# KiCad board ovc5.kicad_pcb (continued)
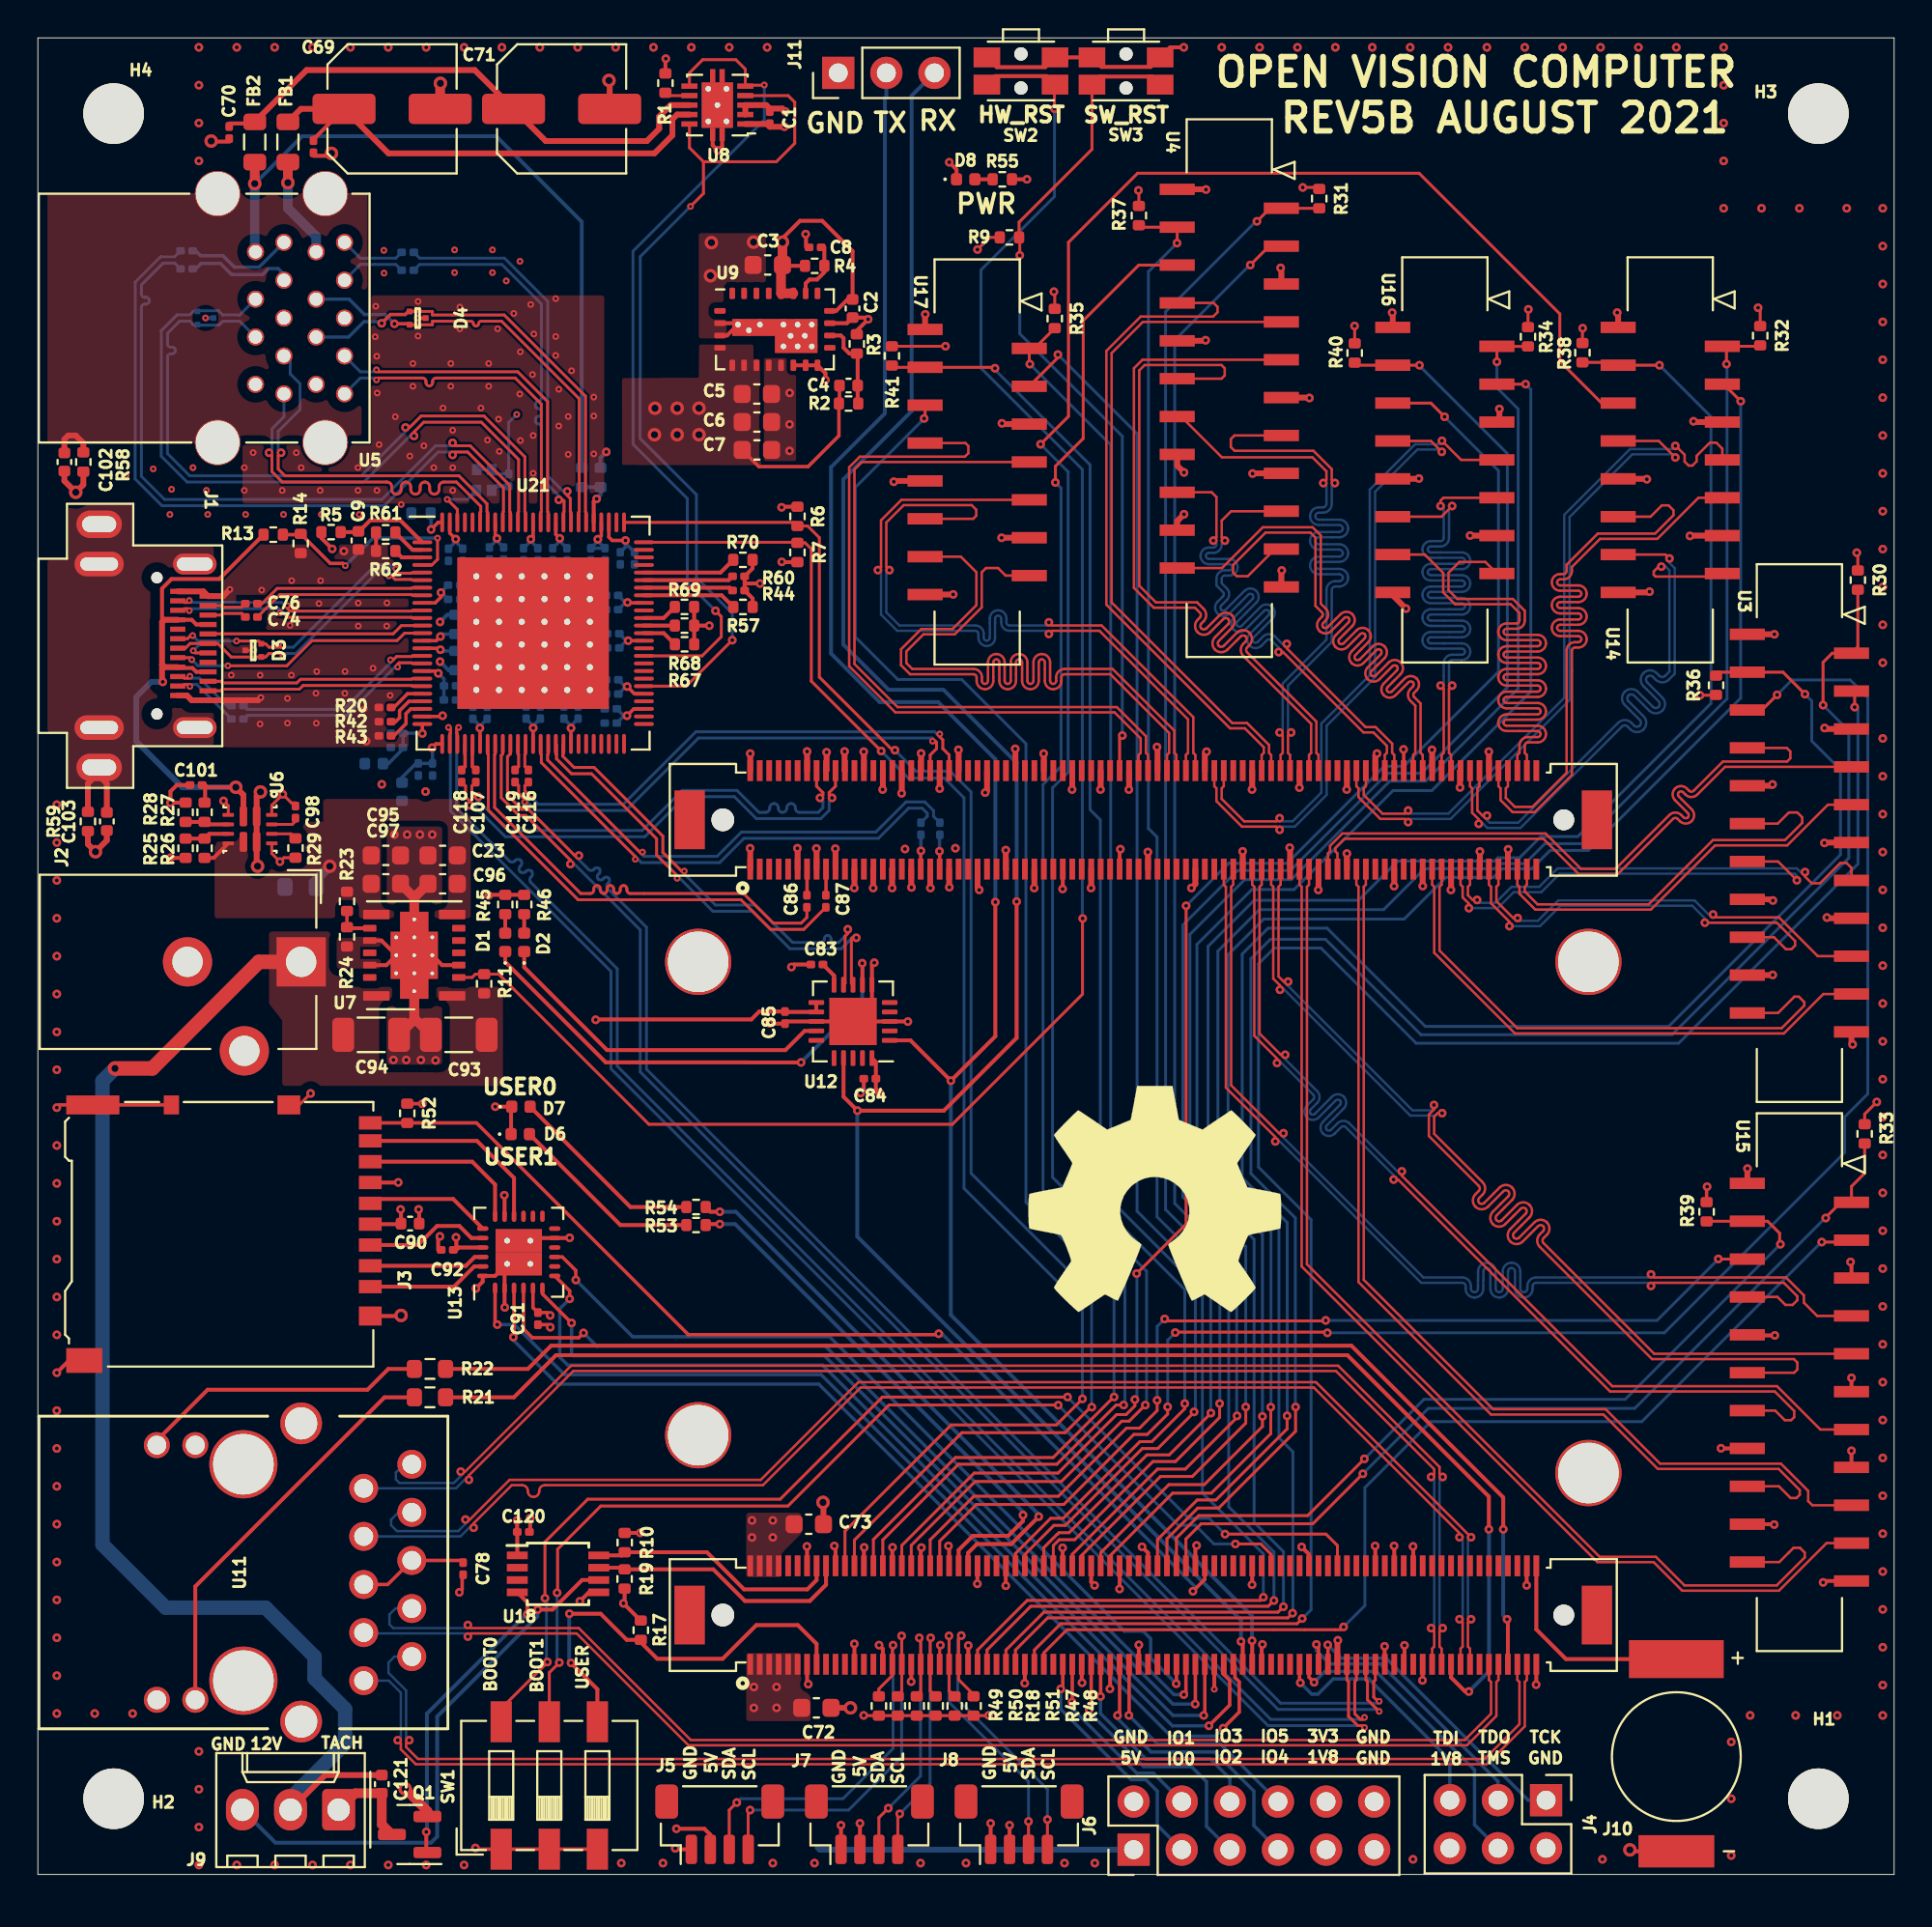
[diagram p0: board, top side]
## Routing (per net, layer and track width the routed paths; a pad name or vN(x,y) marks a point on that pad's centre or on a via; arc(x,y) is an arc through that point) (continued)
FPGA_USB1_TX+: length 25.6
  Top w0.152: U21.39 26.55,59.19 26.58,59.15 26.58,58.72 31.54,53.76 v3(31.54,53.62)
  Bottom w0.152: v3(31.54,53.62) 31.69,53.62 31.86,53.44 36,53.44 37.28,54.72 44.38,54.72 45.97,56.32 46.69,56.32 46.95,56.05 46.95,55.88 C88.1
FPGA_USB1_TX-: length 25.6
  Top w0.152: v3(31.92,54) 31.77,54 26.91,58.86 26.91,59.15 26.95,59.19 U21.40
  Bottom w0.152: C89.1 47.29,55.88 47.29,56.19 46.82,56.65 45.83,56.65 44.24,55.06 37.14,55.06 35.86,53.77 32,53.77 31.92,53.85 v3(31.92,54)
GBE_LED_ACT: length 71.8
  Top w0.203: v1(76.6,18.23) 76.6,19.96 69.14,27.42 27.35,27.42 25.13,25.2 21.52,25.2 ; v1(75.55,9.66) 75.35,9.66 74.61,10.41 U1.A149
  Bottom w0.203: v1(75.55,9.66) 76.61,10.72 76.61,18.22 v1(76.6,18.23)
GBE_LED_LINK: length 68.6
  Top w0.203: v1(77.36,18.23) 77.36,19.91 69.34,27.93 27.1,27.93 25.87,26.7 21.52,26.7 ; U1.A161 77.61,13.43 v1(77.56,13.48)
  Bottom w0.203: v1(77.36,18.23) 77.36,18.22 77.36,13.68 v1(77.56,13.48)
GBE_MDI0_N: length 69.4
  Top w0.127: v1(19.61,7.09) 19.44,6.92 19.44,6.73 20.07,6.1 76.38,6.1 78.22,7.94 78.22,10.16 78.11,10.28 U1.A163
  Bottom w0.127: v1(19.61,7.09) 19.44,7.26 19.44,9.72 18.51,10.65 18.51,11.19 18.83,11.5 U11.2
GBE_MDI0_P: length 69.2
  Top w0.127: v1(19,7.09) 19.16,6.92 19.16,6.61 19.95,5.82 76.5,5.82 78.5,7.82 78.5,10.16 78.61,10.28 U1.A165
  Bottom w0.127: U11.1 18.53,10.23 19.16,9.6 19.16,7.26 v1(19,7.09)
GBE_MDI1_N: length 65.9
  Top w0.127: v1(22.7,13.17) 22.87,13.01 28.56,13.01 34.47,7.1 75.33,7.1 76.72,8.49 76.72,10.16 76.61,10.28 U1.A157
  Bottom w0.127: v1(22.7,13.17) 22.53,13.01 18.76,13.01 18.56,13.21 18.56,13.73 18.88,14.05 U11.4
GBE_MDI1_P: length 65.8
  Top w0.127: v1(22.7,12.57) 22.87,12.73 28.44,12.73 34.35,6.82 75.45,6.82 77,8.37 77,10.16 77.11,10.28 U1.A159
  Bottom w0.127: v1(22.7,12.57) 22.53,12.73 17.24,12.73 U11.3
GBE_MDI2_N: length 72.3
  Top w0.127: v1(75.06,13.48) 75.22,13.31 75.22,12.04 75.11,11.93 U1.A151 ; v1(75.06,17.81) 75.06,18.02 67.36,25.72 43.44,25.72 38.28,20.56 26.77,20.56 arc(26.56,20.47) 26.47,20.26 26.47,20.24 arc(26.38,20.03) 26.17,19.94 arc(25.96,20.03) 25.87,20.24 25.87,20.26 arc(25.78,20.47) 25.57,20.56 25.02,20.56 23.01,18.55 v1(23.01,18.31)
  Bottom w0.127: v1(75.06,17.81) 75.22,17.64 75.22,13.65 v1(75.06,13.48) ; v1(23.01,18.31) 22.77,18.31 22.31,17.86 U11.7
GBE_MDI2_P: length 72.4
  Top w0.127: v1(75.66,13.48) 75.5,13.31 75.5,12.04 75.61,11.93 U1.A153 ; v1(75.66,17.81) 67.48,26 43.32,26 38.16,20.84 24.9,20.84 22.81,18.75 v1(22.57,18.75)
  Bottom w0.127: U11.8 19.03,19.12 18.65,18.74 18.65,18.44 18.96,18.13 22.2,18.13 22.57,18.51 v1(22.57,18.75) ; v1(75.66,13.48) 75.5,13.65 75.5,17.64 v1(75.66,17.81)
GBE_MDI3_N: length 72
  Top w0.127: v1(73.56,20.99) 73.72,21.16 73.72,21.4 68.53,26.59 28.27,26.59 22.76,21.08 v1(22.76,20.84) ; v1(73.56,13.01) 73.72,12.84 73.72,12.04 73.61,11.93 U1.A145
  Bottom w0.127: v1(22.76,20.84) 22.52,20.84 22.07,20.39 U11.9 ; v1(73.56,20.99) 73.72,20.83 73.72,13.18 v1(73.56,13.01)
GBE_MDI3_P: length 72.2
  Top w0.127: U1.A147 74.11,11.93 74,12.04 74,12.84 v1(74.16,13.01) ; v1(74.16,20.99) 74,21.16 74,21.52 68.65,26.87 28.15,26.87 22.56,21.28 v1(22.32,21.28)
  Bottom w0.127: U11.10 19.34,21.67 18.9,21.23 18.9,20.86 19.09,20.67 21.96,20.67 22.32,21.04 v1(22.32,21.28) ; v1(74.16,13.01) 74,13.18 74,20.83 v1(74.16,20.99)
GPIO0: length 12.9
  Top w0.178: U1.A67 54.11,9.91 v1(54,9.8)
  Bottom w0.178: v1(54,9.8) 54,8.73 57.72,5.01 58.49,5.01 59.1,4.4 59.1,2.6 J6.3
GPIO1: length 10.2
  Top w0.178: v1(54.6,9.1) 54.61,9.11 U1.A69
  Bottom w0.178: J6.4 58.89,5.35 58.02,5.35 54.6,8.77 v1(54.6,9.1)
GPIO2: length 14.4
  Top w0.178: U1.A73 55.61,8.81 v1(55.5,8.7)
  Bottom w0.178: v1(55.5,8.7) 55.5,8.58 58.39,5.69 60.91,5.69 61.7,4.9 61.7,2.54 J6.5
GPIO3: length 12.1
  Top w0.178: v1(56.1,9.4) 56.11,9.41 U1.A75
  Bottom w0.178: J6.6 62.93,5.07 61.9,6.1 58.5,6.1 56.1,8.5 v1(56.1,9.4)
GPIO4: length 15.3
  Top w0.178: v1(57,8.4) 57.11,8.51 U1.A79
  Bottom w0.178: v1(57,8.4) 57,8.23 58.76,6.47 62.13,6.47 64.2,4.4 64.2,2.58 J6.7
GPIO5: length 12.5
  Top w0.178: U1.A81 57.61,8.41 v1(57.6,8.4)
  Bottom w0.178: J6.8 62.43,6.89 59.11,6.89 v1(57.6,8.4)
QWIIC0_SCL: length 21
  Top w0.152: v1(45.6,12.6) 45.61,12.59 U1.A33 45.61,9.62 R18.1 ; J5.4 37.5,3.3 v1(37.6,3.4)
  Bottom w0.152: v1(37.6,3.4) 42.8,3.4 45.6,6.2 v1(45.6,12.6)
QWIIC0_SDA: length 20.5
  Top w0.152: R49.2 44.4,9.8 45.11,10.51 U1.A31 45.11,12.07 v1(45.15,12.11) ; J5.3 36.5,3.4 v1(36.9,3.8)
  Bottom w0.152: v1(36.9,3.8) 37.1,4 42.5,4 45.15,6.65 v1(45.15,12.11)
QWIIC1_SCL: length 15.1
  Top w0.152: R47.1 47.11,9.7 U1.A39 47.11,12.47 v1(47.13,12.5) ; J7.4 45.4,3.1 v1(45.5,3.2)
  Bottom w0.152: v1(47.13,12.5) 47.1,12.47 47.1,4.8 v1(45.5,3.2)
QWIIC1_SDA: length 15.3
  Top w0.152: v1(44.9,3.5) 44.4,3 J7.3 ; R50.2 46.61,9.62 U1.A37 46.61,12.42 v1(46.53,12.5)
  Bottom w0.152: v1(44.9,3.5) 46.6,5.2 46.6,12.43 v1(46.53,12.5)
QWIIC2_SCL: length 16.9
  Top w0.152: v1(53.3,2.9) J8.4 ; R48.1 49.4,9.5 48.61,10.29 U1.A45 48.61,12.48 v1(48.75,12.62)
  Bottom w0.152: v1(48.75,12.62) 48.56,12.43 48.56,9.24 53.3,4.5 v1(53.3,2.9)
QWIIC2_SDA: length 16.3
  Top w0.152: v1(48.1,12.6) 48.11,12.59 U1.A43 48.11,9.7 R51.2 ; J8.3 v1(52.3,2.8)
  Bottom w0.152: v1(52.3,2.8) 52.3,4.9 48.1,9.1 v1(48.1,12.6)
REG_EN: length 94.7
  Top w0.152: U7.2 22.93,47.38 23.1,47.55 R11.2 24.33,47.55 32.26,39.62 48.28,39.62 55.15,46.49 55.15,50.48 v1(55.16,50.49) ; v1(53.67,93.26) 53.67,94.23 53.7,94.23
  Top w0.203: SW2.1 50.55,94.98 53.25,94.98 SW2.1
  Bottom w0.152: v1(55.16,50.49) 55.14,50.51 55.14,74.21 49.79,79.56 49.79,84.74 53.67,88.62 v1(53.67,93.26)
SDIO_CDn: length 55.6
  Top w0.178: v1(60.98,14.96) 61.61,15.59 U1.A98 ; v1(47.56,28.56) 47.51,28.51 34.34,28.51 23.16,39.69 J3.9
  Bottom w0.178: v1(47.56,28.56) 47.73,28.56 61.13,15.16 61.13,15.11 v1(60.98,14.96)
SDIO_CLK: length 44.1
  Top w0.178: v1(60.1,10.08) 60.11,10.08 U1.A91 ; U13.9 27.69,32.61 28.4,31.9 v1(28.4,31.4)
  Bottom w0.178: v1(28.4,31.4) 31.4,28.4 41.8,28.4 57.35,12.85 58.35,12.85 58.75,12.45 58.75,11.42 v1(60.1,10.08)
SDIO_CMD: length 46.9
  Top w0.178: v1(60.5,9.5) 60.61,9.61 U1.A93 ; v1(28.81,28.6) 28.55,28.35 26.11,28.35 25.64,28.82 U13.4
  Bottom w0.178: v1(60.5,9.5) 59.97,9.5 41.58,27.9 29.51,27.9 v1(28.81,28.6)
SDIO_D0: length 46.8
  Top w0.178: v1(28.17,29.12) 26.64,30.66 U13.6 ; v1(61.1,9) 61.11,9.01 U1.A95
  Bottom w0.178: v1(61.1,9) 59.92,9 41.53,27.4 28.27,27.4 28.17,27.5 v1(28.17,29.12)
SDIO_D1: length 49.4
  Top w0.178: U1.A97 61.61,8.46 v1(61.55,8.4) ; U13.7 28.08,30.83 v1(28.08,30.4)
  Bottom w0.178: v1(61.55,8.4) 59.92,8.4 41.42,26.9 27.98,26.9 27.55,27.33 27.55,29.88 v1(28.08,30.4)
SDIO_D2: length 52.2
  Top w0.178: v1(24.25,29.04) 24.14,29.16 U13.1 ; v1(61.83,7.85) 62.92,8.95 62.92,10.25 62.61,10.56 U1.A101
  Bottom w0.178: v1(61.83,7.85) 59.9,7.85 41.35,26.4 27.8,26.4 25.16,29.04 v1(24.25,29.04)
SDIO_D3: length 52.9
  Top w0.178: U13.3 25.14,28.42 v1(25.1,28.38) ; U1.A103 63.2,11.01 63.2,10.4 63.42,10.17 63.42,8.58 v1(62.58,7.72)
  Bottom w0.178: v1(62.58,7.72) 62.15,7.3 59.83,7.3 41.22,25.9 27.42,25.9 25.1,28.22 v1(25.1,28.38)
SMBUS_CLK: length 78.2
  Top w0.152: U1.A22 42.61,18.13 48.22,23.74 53.77,23.74 v1(55.15,25.12) ; v1(44.52,59.33) 40.83,63.03 40.83,70.01 40.51,70.33 R7.1 40.07,70.36 U21.75
  Bottom w0.152: v1(55.15,25.12) 55.14,25.13 55.14,29.99 48.89,36.23 48.89,56.86 47.86,57.9 45.95,57.9 v1(44.52,59.33)
SMBUS_DAT: length 80.5
  Top w0.152: v1(45.25,59.38) 45.12,59.38 41.26,63.24 41.26,70.6 40.64,71.22 R6.1 39.91,71.41 30.94,71.41 ; U1.A24 43.11,17.66 48.78,23.33 54.23,23.33 55.58,24.68 v1(55.64,24.68)
  Bottom w0.152: v1(55.64,24.68) 55.63,24.69 55.63,30.67 49.27,37.03 49.27,57.17 48.17,58.27 46.36,58.27 v1(45.25,59.38)
SOFTWARE_RESET: length 44.1
  Top w0.152: SW3.1 55.65,91.11 51.8,87.27 R9.2 51.84,86.42 v1(51.84,85.51) ; U1.B80 57.11,60.01 v1(57.25,60.15)
  Top w0.203: SW3.1 56.08,94.96 58.82,94.96 59.25,94.53
  Bottom w0.152: v1(51.84,85.51) 51.84,81.38 57.25,75.96 v1(57.25,60.15)
USB_UART_D+: length 25
  Top w0.152: v1(43.21,49.47) 42.99,49.47 42.95,49.43 42.95,47.07 U12.8 ; v3(33.75,52.61) 33.75,52.76 32.66,53.84 32.66,54.7 29.23,58.13 28.17,58.13 27.38,58.93 27.38,59.15 27.34,59.19 27.34,59.71 27.38,59.68 27.38,59.13
  Bottom w0.152: v3(33.75,52.61) 33.89,52.61 35.64,50.87 37.73,50.87 39.7,48.89 42.42,48.89 42.99,49.47 v1(43.21,49.47)
USB_UART_D-: length 24.7
  Top w0.152: v1(42.76,49.92) 42.76,49.7 42.62,49.56 42.62,47.07 U12.9 ; 27.71,59.26 27.71,59.68 27.74,59.71 27.74,59.19 27.71,59.15 27.71,59.06 28.31,58.47 29.37,58.47 33,54.84 33,53.98 33.98,52.99 v3(34.13,52.99)
  Bottom w0.152: v3(34.13,52.99) 34.13,52.85 35.77,51.2 37.87,51.2 39.84,49.22 41.35,49.22 arc(41.47,49.28) 41.52,49.4 41.52,49.42 arc(41.57,49.55) 41.7,49.6 arc(41.82,49.55) 41.87,49.42 41.87,49.4 arc(41.92,49.28) 42.05,49.22 42.28,49.22 42.76,49.7 v1(42.76,49.92)
USER_DIP: length 22.7
  Top w0.203: v1(28.06,13.77) 29.71,13.77 31.09,12.39 R17.2 31.83,12.26 32.7,11.39 36.15,11.39 37.93,13.17 40.12,13.17 41.11,12.18 U1.A15 ; SW1.4 29.54,9.78 v1(28.15,11.17)
  Bottom w0.203: v1(28.15,11.17) 28.05,11.27 28.05,13.76 v1(28.06,13.77)
Net-(C4-Pad2): length 4.8
  Top w0.203: R2.2 43.28,77.72 C4.2 43.28,80.28 R3.1 42.84,80.33 42.53,80.64 42.53,81.14 42.39,81.28 U9.14
Net-(C8-Pad1): length 3.1
  Top w0.203: U9.18 40.53,84.04 40.73,84.24 41.14,84.24 41.52,84.62 R4.2 41.52,85.93 41.52,85.94
Net-(C78-Pad1): length 5.7
  Top w0.178: 22.41,16.58 19.74,16.58 18.47,15.31 U11.5
Net-(C83-Pad2): length 1.3
  Top w0.203: U12.10 42.03,47.47 C83.2
Net-(C86-Pad2): length 1.2
  Top w0.178: 40.6,51.88 40.61,51.89 U1.B13
Net-(C87-Pad2): length 1.2
  Top w0.178: U1.B17 41.61,51.89 41.6,51.88
Net-(C88-Pad2): length 1.7
  Top w0.178: v1(46.62,54.06) 46.61,54.05 U1.B37
  Bottom w0.178: v1(46.62,54.06) 46.62,54.75
Net-(C89-Pad2): length 1.7
  Top w0.178: v1(47.6,54.04) 47.61,54.03 U1.B41
  Bottom w0.178: 47.62,54.75 47.6,54.73 v1(47.6,54.04)
Net-(C98-Pad1): length 1.3
  Top w0.152: 13.6,55.63 13.43,55.46 U6.11
Net-(C121-Pad2): length 5
  Top w0.508: 18.69,2.11 18.16,2.64 C121.2 16.75,4.29 J9.1
Net-(D1-Pad2): length 1
  Top w0.203: D1.2 R45.2
Net-(D2-Pad2): length 1
  Top w0.203: D2.2 R46.2
Net-(D6-Pad2): length 10.3
  Top w0.203: D6.2 30.75,34.3 R53.2
Net-(D7-Pad2): length 10.5
  Top w0.203: D7.2 31.28,35.25 R54.2
Net-(D8-Pad2): length 0.9
  Top w0.203: R55.2 D8.2
Net-(Q1-Pad1): length 16.2
  Top w0.203: v1(20.5,2.25) 20.5,1.22 20.57,1.16 ; v1(25.84,13.75) 25.84,14.37 25.31,14.9
  Bottom w0.203: v1(25.84,13.75) 25.8,13.75 20.54,8.49 20.54,2.28 v1(20.5,2.25)
Net-(R1-Pad1): length 1.3
  Top w0.152: U8.7 33.14,93.95 33.13,93.95
Net-(R20-Pad2): length 2
  Top w0.178: U21.21 19.51,62.36 18.79,61.63 R20.2
Net-(R21-Pad1): length 21.7
  Top w0.203: R21.1 18.3,25.2 8.31,15.21 8.31,9.22
Net-(R22-Pad1): length 15.4
  Top w0.203: R22.1 18.5,26.7 17.4,25.6 8.96,25.6 6.28,22.92 U11.14
Net-(R23-Pad2): length 2.1
  Top w0.178: R23.2 R24.1
  Top w0.203: U7.9 16.38,49.98 R24.1
Net-(R25-Pad2): length 2.4
  Top w0.203: R26.1 R25.2 9.05,54.96 U6.5
Net-(R27-Pad2): length 2.3
  Top w0.203: U6.4 8.93,55.46 R27.2 R28.1
Net-(R29-Pad1): length 1.3
  Top w0.152: R29.1 13.36,54.96 U6.10
Net-(R42-Pad2): length 2.3
  Top w0.178: U21.22 19.59,61.96 19.09,61.46 19.09,61.09 18.89,60.89 R42.2
Net-(R43-Pad2): length 2.5
  Top w0.178: U21.23 19.69,61.56 19.44,61.31 19.44,60.78 18.79,60.14 R43.2
Net-(R44-Pad2): length 4.7
  Top w0.203: R44.2 36.53,67.96 U21.69
Net-(R57-Pad2): length 5
  Top w0.203: R57.2 36.1,67.56 U21.68
Net-(R60-Pad2): length 4.8
  Top w0.203: U21.70 36.47,68.36 R60.2
Net-(R61-Pad1): length 1.8
  Top w0.203: U21.2 19.78,69.96 18.87,70.87 R61.1
Net-(R62-Pad1): length 1.6
  Top w0.203: U21.3 19.21,69.56 R62.1
Net-(R63-Pad2): length 1.9
  Top w0.178: v1(21.25,65.38) 21.03,65.16 U21.14
  Bottom w0.178: v1(21.25,65.38) 21.38,65.51 R63.2
Net-(R64-Pad2): length 1.8
  Top w0.178: v1(21.25,64.69) 21.18,64.76 U21.15
  Bottom w0.178: v1(21.25,64.69) 21.31,64.62 R64.2
Net-(R65-Pad2): length 1.6
  Top w0.178: v1(20.76,71.03) 21.13,71.41 21.34,71.41
  Bottom w0.178: R65.2 20.76,71.87 v1(20.76,71.03)
Net-(R67-Pad2): length 1.9
  Top w0.203: R67.2 33.04,65.56 U21.63
Net-(R68-Pad2): length 1.6
  Top w0.203: R68.2 U21.64
Net-(R69-Pad2): length 1.9
  Top w0.203: U21.65 33.04,66.36 R69.2
Net-(R70-Pad2): length 5
  Top w0.203: U21.71 36.04,68.76 R70.2

## Copper pours and planes (outline as drawn; the poured copper is in the pictures)
+1V2 on Top: 30.84,79.03 34.89,79.05 34.91,80.81 37.78,80.81 37.78,80.04 38.28,80.04 38.27,74.43 30.84,74.44
+1V2 on In2.Cu: 65.58,60.81 72.66,60.82 72.66,57.96 65.58,57.95 65.6,53 78.8,53 78.8,45.9 51.29,45.9 51.29,52.6 58.8,52.6 58.8,58.2 52.4,58.2 52.4,60.8 58.8,60.8 58.8,82.6 38.94,82.6 38.94,74.81 31.05,74.81 31.05,86.23 65.45,86.24
+1V2 on In3.Cu: 30.84,73.11 30.84,79.03 38.7,79.03 38.76,59.12 16.83,59.1 16.83,73.1
+1V8 on In3.Cu: 98,0 0,0 0,97 98,97
+3V3 on In2.Cu: 98,0 0,0 0,97 98,97
+5V on Top: 40.3,18 39.4,17.1 39.4,15.7 37.4,15.7 37.4,19.1 40.3,19.1
+5V on Top: 40.5,9.7 40.8,9.4 40.8,8.1 37.4,8.1 37.4,11.7 40.5,11.7
+5V on Bottom: 23.45,46.12 30.4,38.04 30.4,29.9 42.4,17.9 42.4,0 0,0 0,57.5 18.44,57.49 18.39,46.11
+5V on In3.Cu: 40.05,87.91 30.8,87.95 30.8,73.1 16.78,73.1 16.78,59.1 30.4,59.1 30.4,41.5 0,41.5 0,97 40.05,97
+12V on Top: 24.56,41.65 12.9,41.65 12.9,45.1 12.2,46 12.2,49.8 15.4,49.8 16.2,46.88 24.56,46.88
GND on Top: 21.34,42.77 18.42,42.77 18.42,47.85 15.77,47.85 15.77,49.52 18.42,49.52 18.42,55.35 21.34,55.35
GND on Top: 34.89,86.69 38.44,86.69 38.44,84.09 36.36,84.09 36.36,81.13 34.89,81.13
GND on Top: 38.33,80.09 40.03,80.09 40.03,74.19 38.33,74.19
GND on Top: 29.9,72.4 10.8,72.4 10.8,75.5 17.6,75.5 17.6,83.4 29.9,83.4
GND on Top, Bottom: 19.57,70.24 19.57,59.54 9.79,59.53 9.8,70.25
GND on Bottom: 28.36,71.21 4.16,71.2 4.16,86.59 28.36,86.6
GND on Bottom: 32.94,58.76 21.25,58.77 21.25,56.31 16.68,56.32 16.68,60.65 19.34,60.66 19.34,72.36 32.94,72.36
GND on In1.Cu, In4.Cu: 98,0 0,0 0,97 98,97
/Power/VREG on Top: 22.86,50.5 9.33,50.5 9.33,55.6 15.06,55.6 15.06,56.8 22.86,56.8
/USB/A_SHIELD on Top: 17.4,75.6 0.42,75.6 0.42,88.8 17.4,88.8
/USB/C_SHIELD on Top: 9.67,59.65 4.98,59.65 4.98,57.45 1.58,57.45 1.58,60.35 0.08,60.35 0.08,69.43 1.58,69.43 1.58,72.33 4.98,72.33 4.98,70.13 9.67,70.13

## Text on the board
F.Silkscreen: GND | 12V | TACH | 5V | IO1 | IO0 | IO3 | IO2 | IO5 | IO4 | 3V3 | 1V8 | TDI | TDO | TMS | TCK | BOOT0 | BOOT1 | USER | SDA | SCL | USER0 | USER1 | HW_RST | SW_RST | TX | RX | PWR | OPEN VISION COMPUTER / REV5B AUGUST 2021
